# KiCad board TrialAO_1_ASM.kicad_pcb
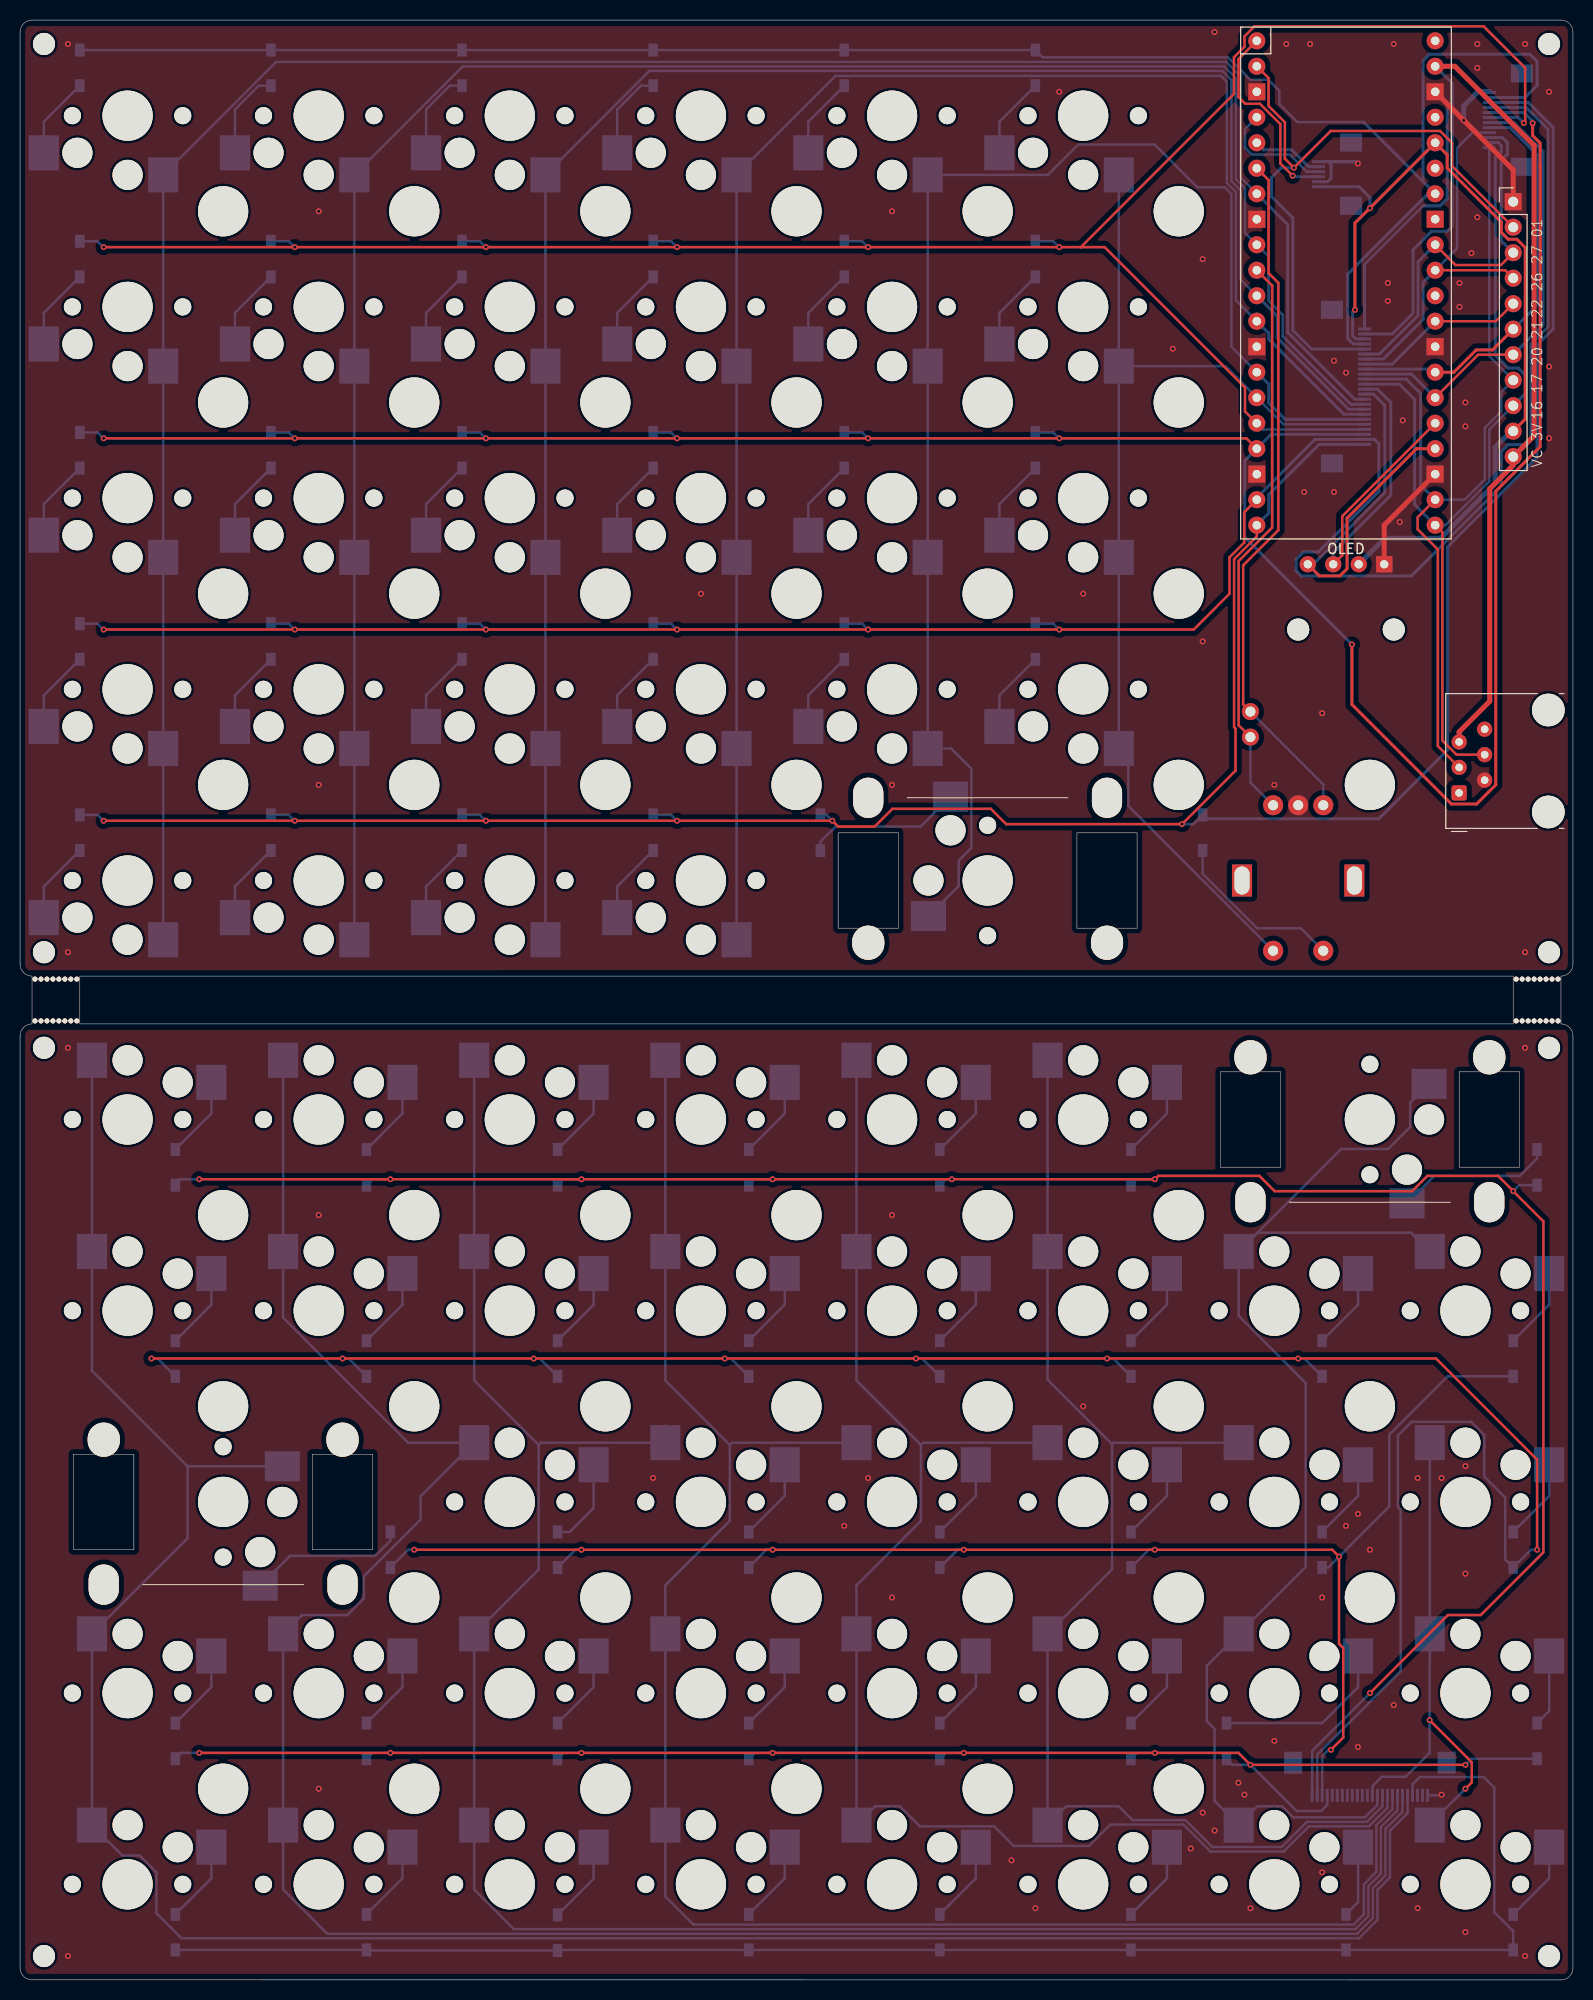
[diagram p0: board, top side]
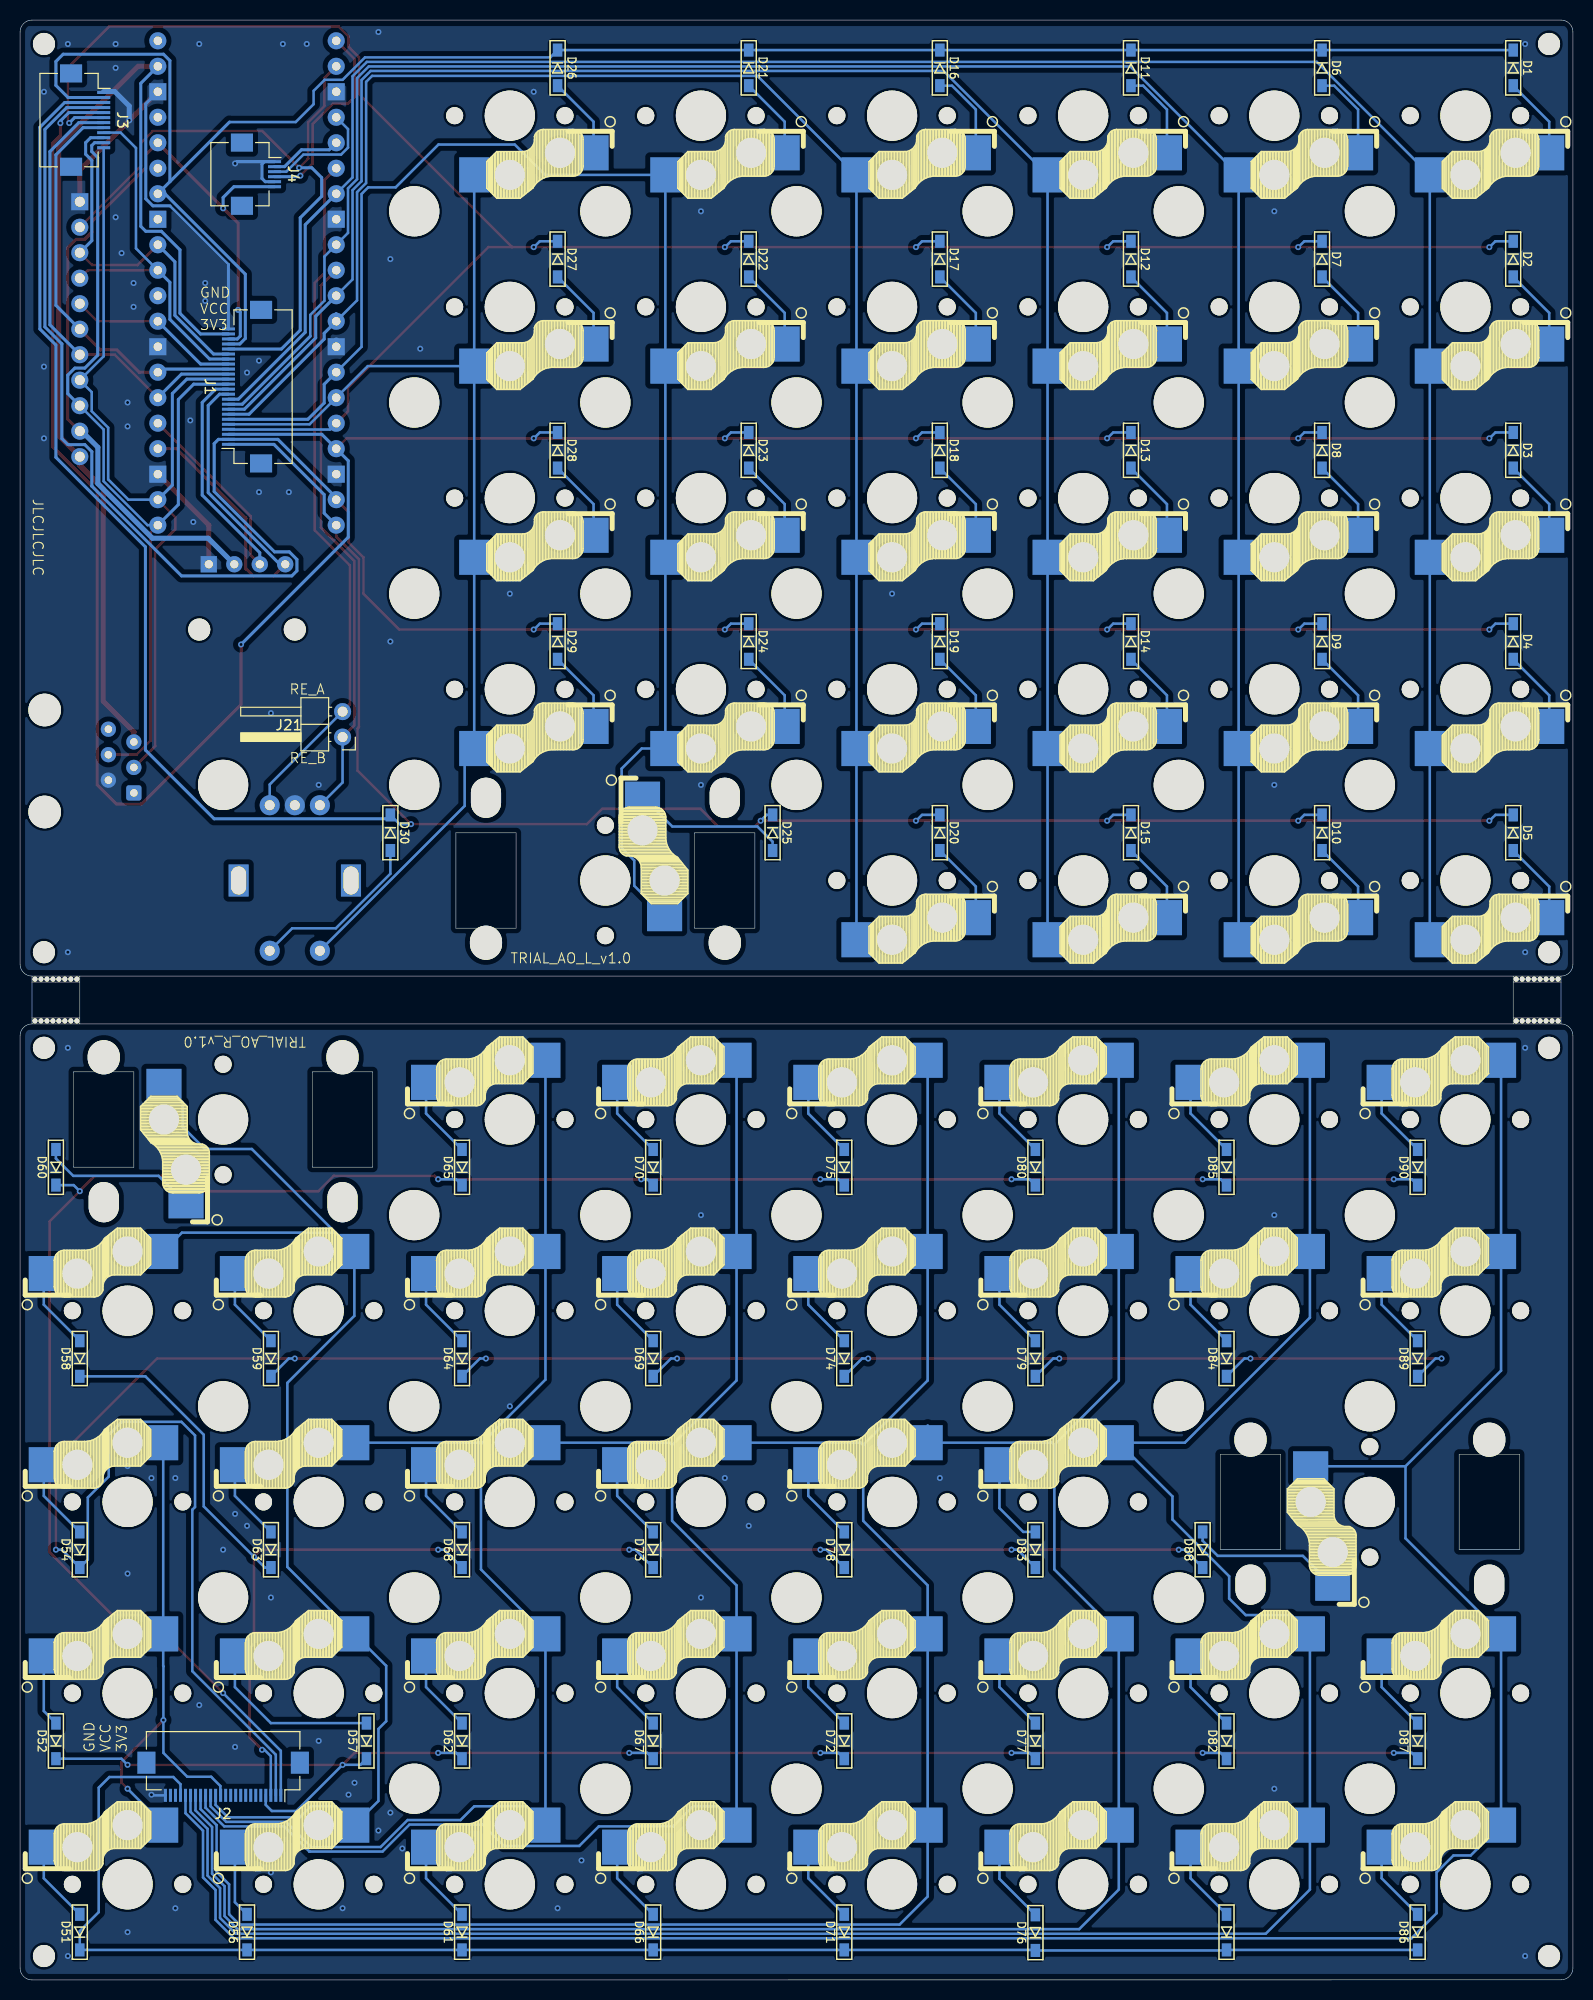
[diagram p1: board, bottom side, seen from below]

Outline 154.78 x 195.26 mm; copper layers: Top, Bottom. Coordinates in mm from the lower left corner of the outline.
Outline path: 0,94.06 arc(0.35,94.9) 1.19,95.25 1.19,100.01 arc(0.35,100.36) 0,101.2 0,194.07 arc(0.35,194.91) 1.19,195.26 153.59,195.26 arc(154.43,194.91) 154.78,194.07 154.78,101.2 arc(154.43,100.36) 153.59,100.01 153.59,95.25 arc(154.43,94.9) 154.78,94.06 154.78,1.19 arc(154.43,0.35) 153.59,0 1.19,0.01 arc(0.35,0.35) 0,1.19 ; 0,94.05 0,1.2 ; 5.95,95.25 5.95,100.01 148.83,100.01 148.83,95.25 5.95,95.25

## Placement (name value [footprint] x y rotation side)
D1  D  [Diode_SMD]  5.95 190.5 270 top
D2  D  [Diode_SMD]  5.95 171.45 270 top
D3  D  [Diode_SMD]  5.95 152.4 270 top
D4  D  [Diode_SMD]  5.95 133.35 270 top
D5  D  [Diode_SMD]  5.95 114.3 270 top
D6  D  [Diode_SMD]  25 190.5 270 top
D7  D  [Diode_SMD]  25 171.45 270 top
D8  D  [Diode_SMD]  25 152.4 270 top
D9  D  [Diode_SMD]  25 133.35 270 top
D10  D  [Diode_SMD]  25 114.3 270 top
D11  D  [Diode_SMD]  44.05 190.5 270 top
D12  D  [Diode_SMD]  44.05 171.45 270 top
D13  D  [Diode_SMD]  44.05 152.4 270 top
D14  D  [Diode_SMD]  44.05 133.35 270 top
D15  D  [Diode_SMD]  44.05 114.3 270 top
D16  D  [Diode_SMD]  63.1 190.5 270 top
D17  D  [Diode_SMD]  63.1 171.45 270 top
D18  D  [Diode_SMD]  63.1 152.4 270 top
D19  D  [Diode_SMD]  63.1 133.35 270 top
D20  D  [Diode_SMD]  63.1 114.3 270 top
D21  D  [Diode_SMD]  82.15 190.5 270 top
D22  D  [Diode_SMD]  82.15 171.45 270 top
D23  D  [Diode_SMD]  82.15 152.4 270 top
D24  D  [Diode_SMD]  82.15 133.35 270 top
D25  D  [Diode_SMD]  79.77 114.3 270 top
D26  D  [Diode_SMD]  101.2 190.5 270 top
D27  D  [Diode_SMD]  101.2 171.45 270 top
D28  D  [Diode_SMD]  101.2 152.4 270 top
D29  D  [Diode_SMD]  101.2 133.35 270 top
D30  D  [Diode_SMD]  117.87 114.3 270 top
D51  D  [Diode_SMD]  148.83 4.76 90 top
D52  D  [Diode_SMD]  151.21 23.81 90 top
D54  D  [Diode_SMD]  148.83 42.86 90 top
D56  D  [Diode_SMD]  132.16 4.76 90 top
D57  D  [Diode_SMD]  120.25 23.81 90 top
D58  D  [Diode_SMD]  148.83 61.91 90 top
D59  D  [Diode_SMD]  129.78 61.91 90 top
D60  D  [Diode_SMD]  151.21 80.96 90 top
D61  D  [Diode_SMD]  110.73 4.76 90 top
D62  D  [Diode_SMD]  110.73 23.81 90 top
D63  D  [Diode_SMD]  129.78 42.86 90 top
D64  D  [Diode_SMD]  110.73 61.91 90 top
D65  D  [Diode_SMD]  110.73 80.96 90 top
D66  D  [Diode_SMD]  91.68 4.76 90 top
D67  D  [Diode_SMD]  91.68 23.81 90 top
D68  D  [Diode_SMD]  110.73 42.86 90 top
D69  D  [Diode_SMD]  91.68 61.91 90 top
D70  D  [Diode_SMD]  91.68 80.96 90 top
D71  D  [Diode_SMD]  72.63 4.76 90 top
D72  D  [Diode_SMD]  72.63 23.81 90 top
D73  D  [Diode_SMD]  91.68 42.86 90 top
D74  D  [Diode_SMD]  72.63 61.91 90 top
D75  D  [Diode_SMD]  72.63 80.96 90 top
D76  D  [Diode_SMD]  53.58 4.71 90 top
D77  D  [Diode_SMD]  53.58 23.81 90 top
D78  D  [Diode_SMD]  72.63 42.86 90 top
D79  D  [Diode_SMD]  53.58 61.91 90 top
D80  D  [Diode_SMD]  53.58 80.96 90 top
D81  D  [Diode_SMD]  34.53 4.76 90 top
D82  D  [Diode_SMD]  34.53 23.81 90 top
D83  D  [Diode_SMD]  53.58 42.86 90 top
D84  D  [Diode_SMD]  34.53 61.91 90 top
D85  D  [Diode_SMD]  34.53 80.96 90 top
D86  D  [Diode_SMD]  15.48 4.76 90 top
D87  D  [Diode_SMD]  15.48 23.81 90 top
D88  D  [Diode_SMD]  36.91 42.86 90 top
D89  D  [Diode_SMD]  15.48 61.91 90 top
D90  D  [Diode_SMD]  15.48 80.96 90 top
hole25  KEY_SWITCH  [rkd_Asm_ChocV2_PCBMountStab_2uL]  134.54 85.72 0 top
hole25#2  KEY_SWITCH  [rkd_Asm_ChocV2_PCBMountStab_2uL]  96.44 109.54 180 top
hole88  KEY_SWITCH  [rkd_Asm_ChocV2_PCBMountStab_2uL]  20.24 47.62 0 top
J1  Conn_01x24  [Hirose_FH12-24S-0.5SH_1x24-1MP_P0.50mm_Horizontal]  132.16 158.74 90 bottom
J2  Conn_01x24  [Hirose_FH12-24S-0.5SH_1x24-1MP_P0.50mm_Horizontal]  134.54 20.24 0 bottom
J3  Conn_01x12  [Hirose_FH12-12S-0.5SH_1x12-1MP_P0.50mm_Horizontal]  148.3 185.3 270 bottom
J4  Conn_01x06  [Hirose_FH12-6S-0.5SH_1x06-1MP_P0.50mm_Horizontal]  131.27 179.91 270 bottom
J21  Conn_01x02_Socket  [PinHeader_1x02_P2.54mm_Horizontal]  122.63 123.82 0 bottom
J23  Conn_01x10  [PinHeader_1x11_P2.54mm_Vertical]  148.83 177.16 0 top
J51  RJ12  [RJ12_Amphenol_54601-x06_Horizontal]  143.44 118.26 90 top
M5  Mark  [rkd_5mmHole]  96.44 57.15 180 top
M6  Mark  [rkd_5mmHole]  115.49 157.16 180 top
M6#2  Mark  [rkd_5mmHole]  134.54 57.15 180 top
M6#3  Mark  [rkd_5mmHole]  58.34 119.06 180 top
M6#4  Mark  [rkd_5mmHole]  77.39 57.15 180 top
M6#5  Mark  [rkd_5mmHole]  58.34 57.15 180 top
M6#6  Mark  [rkd_5mmHole]  58.34 19.05 180 top
M6#7  Mark  [rkd_5mmHole]  20.24 57.15 180 top
M6#8  Mark  [rkd_5mmHole]  39.29 76.2 180 top
M6#9  Mark  [rkd_5mmHole]  77.39 19.05 180 top
M6#10  Mark  [rkd_5mmHole]  77.39 138.11 180 top
M6#11  Mark  [rkd_5mmHole]  115.49 19.05 180 top
M6#12  Mark  [rkd_5mmHole]  20.24 119.06 180 top
M6#13  Mark  [rkd_5mmHole]  115.49 176.21 180 top
M6#14  Mark  [rkd_5mmHole]  96.44 76.2 180 top
M6#15  Mark  [rkd_5mmHole]  96.44 176.21 180 top
M6#16  Mark  [rkd_5mmHole]  20.24 76.2 180 top
M6#17  Mark  [rkd_5mmHole]  115.49 138.11 180 top
M6#18  Mark  [rkd_5mmHole]  39.29 57.15 180 top
M6#19  Mark  [rkd_5mmHole]  20.24 19.05 180 top
M6#20  Mark  [rkd_5mmHole]  39.29 157.16 180 top
M6#21  Mark  [rkd_5mmHole]  20.24 176.21 180 top
M6#22  Mark  [rkd_5mmHole]  115.49 38.1 180 top
M6#23  Mark  [rkd_5mmHole]  39.29 38.1 180 top
M6#24  Mark  [rkd_5mmHole]  77.39 38.1 180 top
M6#25  Mark  [rkd_5mmHole]  134.54 38.1 180 top
M6#26  Mark  [rkd_5mmHole]  39.29 19.05 180 top
M6#27  Mark  [rkd_5mmHole]  115.49 119.06 180 top
M6#28  Mark  [rkd_5mmHole]  20.24 138.11 180 top
M6#29  Mark  [rkd_5mmHole]  96.44 38.1 180 top
M6#30  Mark  [rkd_5mmHole]  115.49 57.15 180 top
M6#31  Mark  [rkd_5mmHole]  58.34 157.16 180 top
M6#32  Mark  [rkd_5mmHole]  77.39 76.2 180 top
M6#33  Mark  [rkd_5mmHole]  39.29 119.06 180 top
M6#34  Mark  [rkd_5mmHole]  58.34 76.2 180 top
M6#35  Mark  [rkd_5mmHole]  77.39 176.21 180 top
M6#36  Mark  [rkd_5mmHole]  77.39 157.16 180 top
M6#37  Mark  [rkd_5mmHole]  134.54 119.06 180 top
M6#38  Mark  [rkd_5mmHole]  39.29 176.21 180 top
M6#39  Mark  [rkd_5mmHole]  58.34 176.21 180 top
M6#40  Mark  [rkd_5mmHole]  20.24 157.16 180 top
M6#41  Mark  [rkd_5mmHole]  96.44 19.05 180 top
M6#42  Mark  [rkd_5mmHole]  77.39 119.06 180 top
M6#43  Mark  [rkd_5mmHole]  96.44 157.16 180 top
M6#44  Mark  [rkd_5mmHole]  115.49 76.2 180 top
M6#45  Mark  [rkd_5mmHole]  39.29 138.11 180 top
M6#46  Mark  [rkd_5mmHole]  58.34 138.11 180 top
M6#47  Mark  [rkd_5mmHole]  96.44 138.11 180 top
M6#48  Mark  [rkd_5mmHole]  58.34 38.1 180 top
OL1  OLED  [OLED_center_display]  132.16 159.54 0 top
Point1  Guard_Screw_Hall  [rkd_Guard_Screw_Hall]  132.16 164.31 270 top
Ref**  Val**  [m2_Screw_Hole]  152.4 2.38 0 top
REF**  -  [rkd_cutdot_no_edgecut]  4.76 99.71 0 top
Ref**#2  Val**  [m2_Screw_Hole]  2.38 92.87 0 top
REF**#2  -  [rkd_cutdot_no_edgecut]  152.4 99.71 0 top
Ref**#3  Val**  [m2_Screw_Hole]  2.38 192.88 0 top
REF**#3  -  [rkd_cutdot_no_edgecut]  2.38 95.55 0 top
Ref**#4  Val**  [m2_Screw_Hole]  2.38 2.38 0 top
REF**#4  -  [rkd_cutdot_no_edgecut]  2.38 99.71 0 top
Ref**#5  Val**  [m2_Screw_Hole]  2.38 102.39 0 top
REF**#5  -  [rkd_cutdot_no_edgecut]  150.02 95.55 0 top
Ref**#6  Val**  [m2_Screw_Hole]  152.4 192.88 0 top
REF**#6  -  [rkd_cutdot_no_edgecut]  152.4 95.55 0 top
Ref**#7  Val**  [m2_Screw_Hole]  152.4 92.87 0 top
REF**#7  -  [rkd_cutdot_no_edgecut]  4.76 95.55 0 top
REF**#8  -  [rkd_cutdot_no_edgecut]  150.02 99.71 0 top
Ref**#8  Val**  [m2_Screw_Hole]  152.4 102.39 0 top
SW1  SW_Push  [rkd_Asm_ChocV1V2_Hotswap_1u_NM]  10.72 185.74 0 top
SW2  SW_Push  [rkd_Asm_ChocV1V2_Hotswap_1u_NM]  10.72 166.69 0 top
SW3  SW_Push  [rkd_Asm_ChocV1V2_Hotswap_1u_NM]  10.72 147.64 0 top
SW4  SW_Push  [rkd_Asm_ChocV1V2_Hotswap_1u_NM]  10.72 128.59 0 top
SW5  SW_Push  [rkd_Asm_ChocV1V2_Hotswap_1u_NM]  10.72 109.54 0 top
SW6  SW_Push  [rkd_Asm_ChocV1V2_Hotswap_1u_NM]  29.77 185.74 0 top
SW7  SW_Push  [rkd_Asm_ChocV1V2_Hotswap_1u_NM]  29.77 166.69 0 top
SW8  SW_Push  [rkd_Asm_ChocV1V2_Hotswap_1u_NM]  29.77 147.64 0 top
SW9  SW_Push  [rkd_Asm_ChocV1V2_Hotswap_1u_NM]  29.77 128.59 0 top
SW10  SW_Push  [rkd_Asm_ChocV1V2_Hotswap_1u_NM]  29.77 109.54 0 top
SW11  SW_Push  [rkd_Asm_ChocV1V2_Hotswap_1u_NM]  48.82 185.74 0 top
SW12  SW_Push  [rkd_Asm_ChocV1V2_Hotswap_1u_NM]  48.82 166.69 0 top
SW13  SW_Push  [rkd_Asm_ChocV1V2_Hotswap_1u_NM]  48.82 147.64 0 top
SW14  SW_Push  [rkd_Asm_ChocV1V2_Hotswap_1u_NM]  48.82 128.59 0 top
SW15  SW_Push  [rkd_Asm_ChocV1V2_Hotswap_1u_NM]  48.82 109.54 0 top
SW16  SW_Push  [rkd_Asm_ChocV1V2_Hotswap_1u_NM]  67.87 185.74 0 top
SW17  SW_Push  [rkd_Asm_ChocV1V2_Hotswap_1u_NM]  67.87 166.69 0 top
SW18  SW_Push  [rkd_Asm_ChocV1V2_Hotswap_1u_NM]  67.87 147.64 0 top
SW19  SW_Push  [rkd_Asm_ChocV1V2_Hotswap_1u_NM]  67.87 128.59 0 top
SW20  SW_Push  [rkd_Asm_ChocV1V2_Hotswap_1u_NM]  67.87 109.54 0 top
SW21  SW_Push  [rkd_Asm_ChocV1V2_Hotswap_1u_NM]  86.92 185.74 0 top
SW22  SW_Push  [rkd_Asm_ChocV1V2_Hotswap_1u_NM]  86.92 166.69 0 top
SW23  SW_Push  [rkd_Asm_ChocV1V2_Hotswap_1u_NM]  86.92 147.64 0 top
SW24  SW_Push  [rkd_Asm_ChocV1V2_Hotswap_1u_NM]  86.92 128.59 0 top
SW25  SW_Push  [rkd_Asm_ChocV1V2_Hotswap_1u_NM]  96.44 109.54 270 top
SW26  SW_Push  [rkd_Asm_ChocV1V2_Hotswap_1u_NM]  105.97 185.74 0 top
SW27  SW_Push  [rkd_Asm_ChocV1V2_Hotswap_1u_NM]  105.97 166.69 0 top
SW28  SW_Push  [rkd_Asm_ChocV1V2_Hotswap_1u_NM]  105.97 147.64 0 top
SW29  SW_Push  [rkd_Asm_ChocV1V2_Hotswap_1u_NM]  105.97 128.59 0 top
SW30  RotaryEncoder_Switch  [RotaryEncoder_EC11-Switch]  127.4 109.54 180 top
SW51  SW_Push  [rkd_Asm_ChocV1V2_Hotswap_1u_NM]  144.07 9.52 180 top
SW52  SW_Push  [rkd_Asm_ChocV1V2_Hotswap_1u_NM]  144.07 28.57 180 top
SW54  SW_Push  [rkd_Asm_ChocV1V2_Hotswap_1u_NM]  144.07 47.62 180 top
SW56  SW_Push  [rkd_Asm_ChocV1V2_Hotswap_1u_NM]  125.02 9.52 180 top
SW57  SW_Push  [rkd_Asm_ChocV1V2_Hotswap_1u_NM]  125.02 28.57 180 top
SW58  SW_Push  [rkd_Asm_ChocV1V2_Hotswap_1u_NM]  144.07 66.67 180 top
SW59  SW_Push  [rkd_Asm_ChocV1V2_Hotswap_1u_NM]  125.02 66.67 180 top
SW60  SW_Push  [rkd_Asm_ChocV1V2_Hotswap_1u_NM]  134.54 85.72 90 top
SW61  SW_Push  [rkd_Asm_ChocV1V2_Hotswap_1u_NM]  105.97 9.52 180 top
SW62  SW_Push  [rkd_Asm_ChocV1V2_Hotswap_1u_NM]  105.97 28.57 180 top
SW63  SW_Push  [rkd_Asm_ChocV1V2_Hotswap_1u_NM]  125.02 47.62 180 top
SW64  SW_Push  [rkd_Asm_ChocV1V2_Hotswap_1u_NM]  105.97 66.67 180 top
SW65  SW_Push  [rkd_Asm_ChocV1V2_Hotswap_1u_NM]  105.97 85.72 180 top
SW66  SW_Push  [rkd_Asm_ChocV1V2_Hotswap_1u_NM]  86.92 9.52 180 top
SW67  SW_Push  [rkd_Asm_ChocV1V2_Hotswap_1u_NM]  86.92 28.57 180 top
SW68  SW_Push  [rkd_Asm_ChocV1V2_Hotswap_1u_NM]  105.97 47.62 180 top
SW69  SW_Push  [rkd_Asm_ChocV1V2_Hotswap_1u_NM]  86.92 66.67 180 top
SW70  SW_Push  [rkd_Asm_ChocV1V2_Hotswap_1u_NM]  86.92 85.72 180 top
SW71  SW_Push  [rkd_Asm_ChocV1V2_Hotswap_1u_NM]  67.87 9.52 180 top
SW72  SW_Push  [rkd_Asm_ChocV1V2_Hotswap_1u_NM]  67.87 28.57 180 top
SW73  SW_Push  [rkd_Asm_ChocV1V2_Hotswap_1u_NM]  86.92 47.62 180 top
SW74  SW_Push  [rkd_Asm_ChocV1V2_Hotswap_1u_NM]  67.87 66.67 180 top
SW75  SW_Push  [rkd_Asm_ChocV1V2_Hotswap_1u_NM]  67.87 85.72 180 top
SW76  SW_Push  [rkd_Asm_ChocV1V2_Hotswap_1u_NM]  48.82 9.52 180 top
SW77  SW_Push  [rkd_Asm_ChocV1V2_Hotswap_1u_NM]  48.82 28.57 180 top
SW78  SW_Push  [rkd_Asm_ChocV1V2_Hotswap_1u_NM]  67.87 47.62 180 top
SW79  SW_Push  [rkd_Asm_ChocV1V2_Hotswap_1u_NM]  48.82 66.67 180 top
SW80  SW_Push  [rkd_Asm_ChocV1V2_Hotswap_1u_NM]  48.82 85.72 180 top
SW81  SW_Push  [rkd_Asm_ChocV1V2_Hotswap_1u_NM]  29.77 9.52 180 top
SW82  SW_Push  [rkd_Asm_ChocV1V2_Hotswap_1u_NM]  29.77 28.57 180 top
SW83  SW_Push  [rkd_Asm_ChocV1V2_Hotswap_1u_NM]  48.82 47.62 180 top
SW84  SW_Push  [rkd_Asm_ChocV1V2_Hotswap_1u_NM]  29.77 66.67 180 top
SW85  SW_Push  [rkd_Asm_ChocV1V2_Hotswap_1u_NM]  29.77 85.72 180 top
SW86  SW_Push  [rkd_Asm_ChocV1V2_Hotswap_1u_NM]  10.72 9.52 180 top
SW87  SW_Push  [rkd_Asm_ChocV1V2_Hotswap_1u_NM]  10.72 28.57 180 top
SW88  SW_Push  [rkd_Asm_ChocV1V2_Hotswap_1u_NM]  20.24 47.62 90 top
SW89  SW_Push  [rkd_Asm_ChocV1V2_Hotswap_1u_NM]  10.72 66.67 180 top
SW90  SW_Push  [rkd_Asm_ChocV1V2_Hotswap_1u_NM]  10.72 85.72 180 top
U1  Pico  [rkd_RPi_Pico_TH_NODBG]  132.16 169.07 0 top

## Library data of the parts
D1-D30 D51 D52 D54 D56-D90 = -: Description: Diode; Sim.Pins: 1=K 2=A; ki_fp_filters: TO-???* *_Diode_* *SingleDiode* D_*
J1 J2 = -: Description: Generic connector, single row, 01x24, script generated (kicad-library-utils/schlib/autogen/connector/); ki_fp_filters: Connector*:*_1x??_*
J3 = -: Description: Generic connector, single row, 01x12, script generated (kicad-library-utils/schlib/autogen/connector/); ki_fp_filters: Connector*:*_1x??_*
J4 = -: Description: Generic connector, single row, 01x06, script generated (kicad-library-utils/schlib/autogen/connector/); ki_fp_filters: Connector*:*_1x??_*
J21 = -: Description: Generic connector, single row, 01x02, script generated (kicad-library-utils/schlib/autogen/connector/); ki_fp_filters: Connector*:*_1x??_*
J23 = -: Description: Generic connector, single row, 01x11, script generated (kicad-library-utils/schlib/autogen/connector/); ki_fp_filters: Connector*:*_1x??_*
J51 = -: Description: RJ connector, 6P6C (6 positions 6 connected); ki_fp_filters: 6P6C* RJ12* RJ18* RJ25*
SW1-SW29 SW51 SW52 SW54 SW56-SW90 = -: Description: Push button switch, generic, two pins
SW30 = -: Description: Rotary encoder, dual channel, incremental quadrate outputs, with switch; ki_fp_filters: RotaryEncoder*Switch*
